# KiCad board soldiercrab_panel.kicad_pcb (continued)
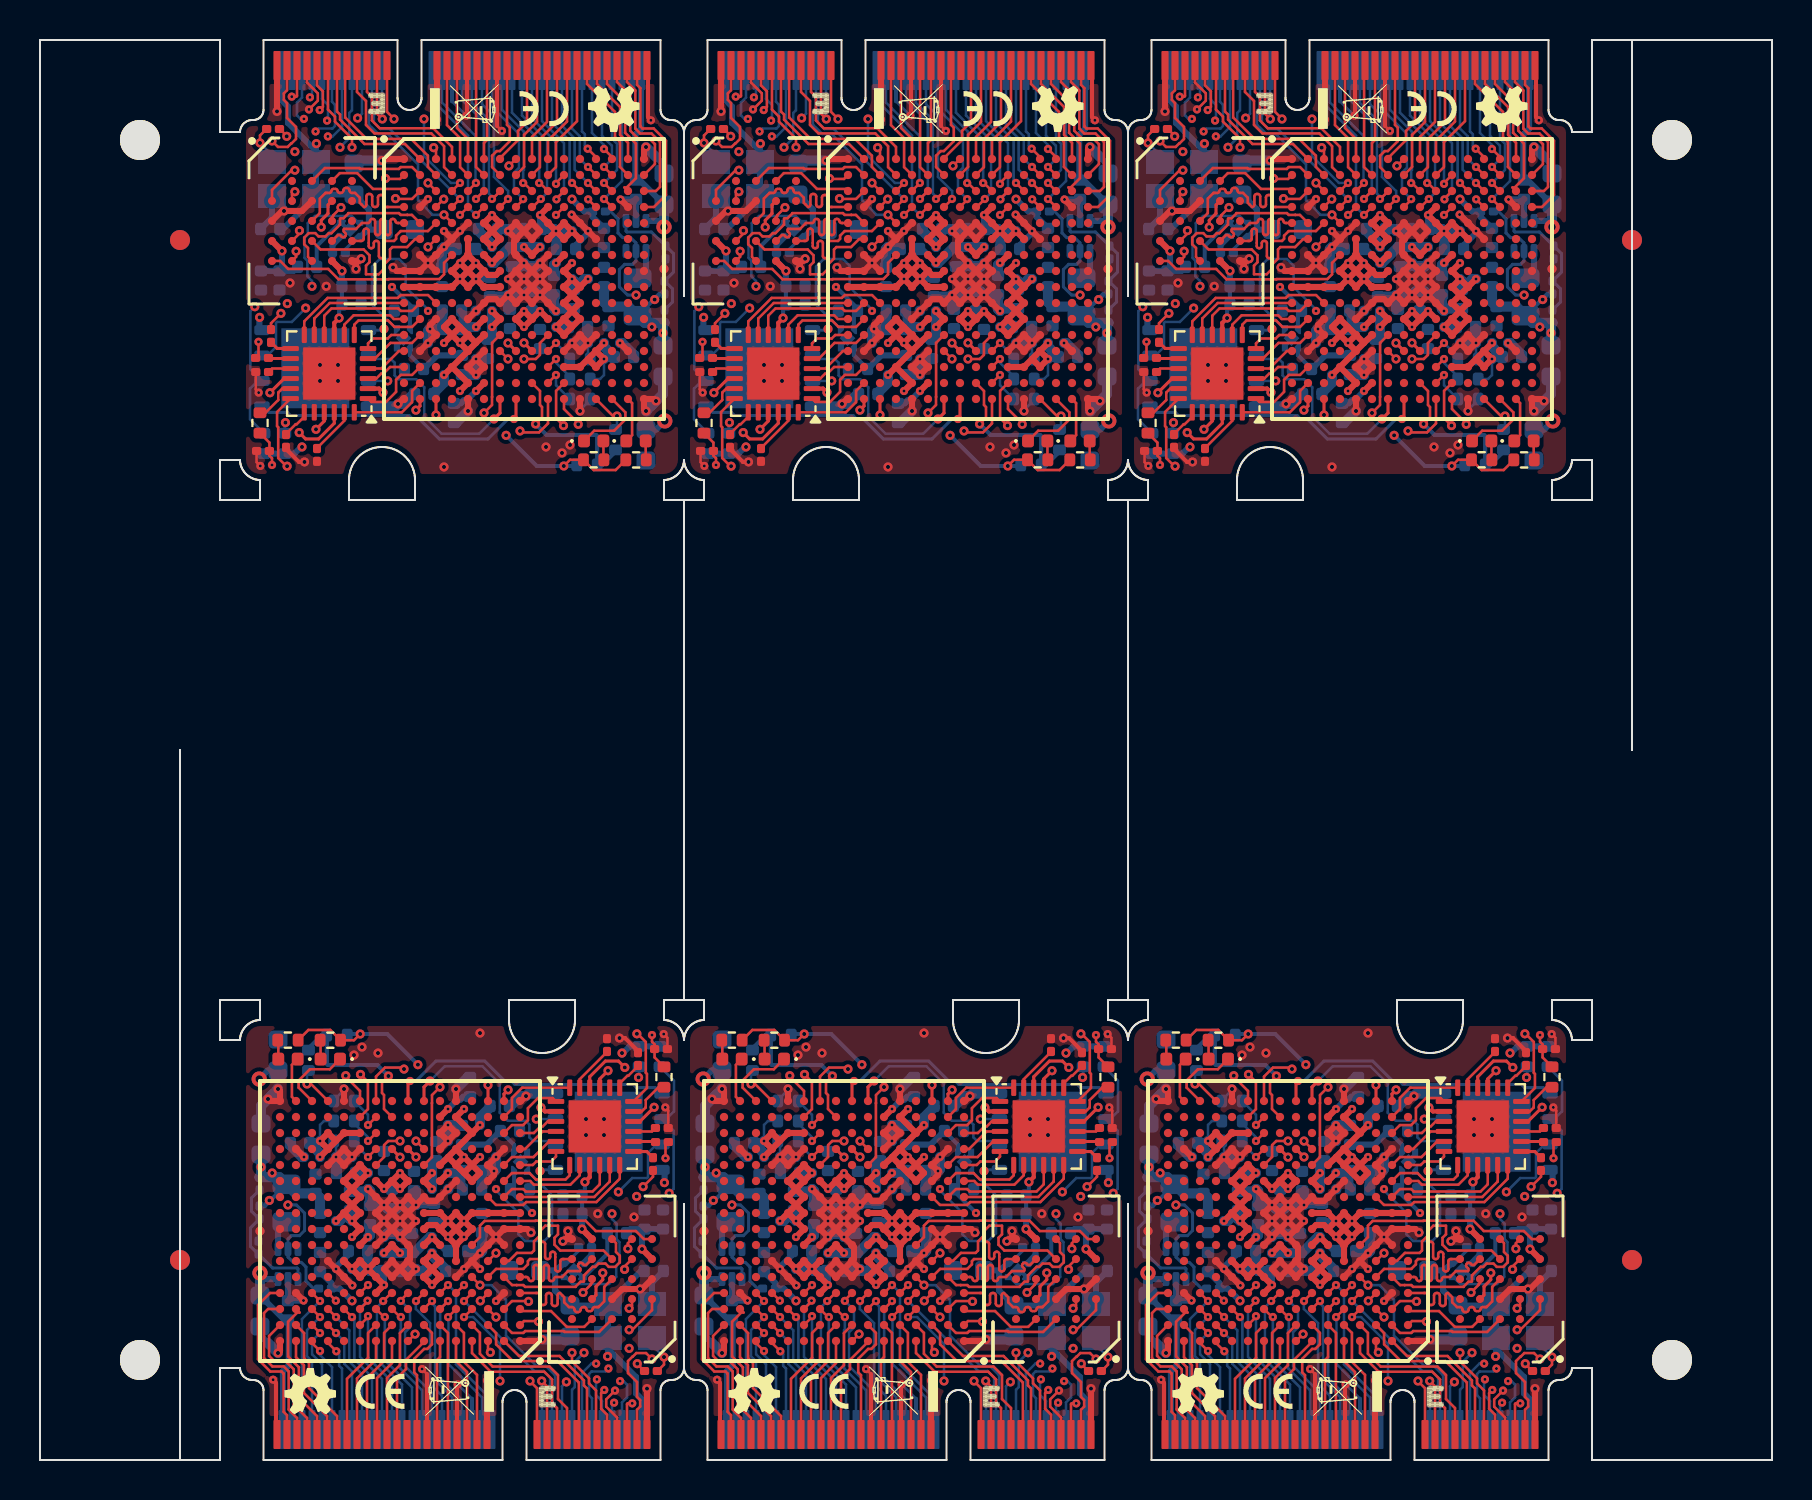
[diagram p0: board, top side]
## Routing (per net, layer and track width the routed paths; a pad name or vN(x,y) marks a point on that pad's centre or on a via; arc(x,y) is an arc through that point) (continued)
  Bottom w0.127: J1#2.10 58.5,68.05 58.8,67.75 58.8,67.02 v1(58.75,66.97)
Board_2-ECP5_T11_TMS: length 26.7
  Top w0.127: IC1#2.T11 70.6,52.55 71.31,51.84 v2(71.31,51.78) ; v2(61.52,67.05) 61.25,67.32 J1#2.21
  In4.Cu w0.127: v2(61.52,67.05) 61.52,67.04 61.93,66.63 61.93,66.63 62.85,65.72 62.85,56.77 63.35,56.27 63.35,54.66 64.15,53.85 66.36,53.85 66.91,53.31 69.84,53.31 71.31,51.84 v2(71.31,51.78)
Board_2-EN: length 45.1
  In2.Cu w0.127: v2(58,58.68) 58.63,58.05 63.2,58.05 v1(63.8,57.45)
  In2.Cu w0.152: v1(63.8,57.45) 63.39,57.04 63.39,54.66 65.01,53.04 67.6,53.04 68.4,53.84 71.97,53.84 74.2,56.08 v2(74.2,58.25)
  Bottom w0.127: v2(58,58.68) 58,58.95 57.77,59.19 57.77,59.97 57.63,60.11 57.63,61.13 57.79,61.3 57.79,61.84 58.15,62.2 59.98,62.2 U4.3 ; U2#5.3 61,57.77 61,59.66 61.39,60.05 62.34,60.05 62.68,59.71 62.68,58.64 63.8,57.52 v1(63.8,57.45)
  Bottom w0.152: v2(74.2,58.25) 73.78,58.25 73.37,58.65 73.37,59.53 73.63,59.78 74.03,59.78 74.2,59.95 U1#4.5 74.2,60.85 73.93,61.12 73.53,61.12 73.3,61.35 73.3,62.05 72.93,62.43 R1#6.1
Board_2-GND: length 114.2
  Top w0.127: v1(55.42,49.7) 55.23,49.89 C37#4.2 ; J1#2.7 57.75,68.87 58.29,68.33 58.29,67.97 v1(57.85,67.53) ; 67.25,66.7 v1(67.5,66.45) ; v1(65.72,67.22) 65.75,67.25 ; v1(55.33,53.37) 55.19,53.52 C36#2.2 ; 74.8,69.67 J1#2.75 ; v1(74.94,66.99) 74.8,67.13
  Top w0.203: 65.75,67.25 J1#2.39 ; v2(57.63,49.9) 57.35,49.9 56.78,50.48 56.78,50.63 ; J1#2.45 67.25,66.7 ; 74.8,67.13 74.8,69.67
  Top w0.305: U10#4.C1 56.5,62.45 v2(56.6,62.45) 57.5,62.45 U10#4.B3 ; IC1#2.F4 v1(64.6,60.65) IC1#2.G3 v1(63.8,59.85) ; IC1#2.F4 v1(64.6,61.45) ; IC1#2.F4 v1(65.4,61.45) IC1#2.E5 ; v2(74.7,65.65) 74.6,65.55 IC1#2.A16 ; IC1#2.G10 v1(69.4,59.85) ; v1(69.4,59.85) IC1#2.H9 ; v1(69.4,59.85) IC1#2.H10 v1(69.4,59.05) ; v1(66.2,55.05) IC1#2.P5 v1(66.2,54.25) IC1#2.P6 v1(66.2,55.05) ; v1(66.2,55.05) IC1#2.N6 ; IC1#2.H9 v1(68.6,59.85) ; IC1#2.H9 v1(69.4,59.05) ; IC1#2.H9 v1(68.6,59.05) ; v1(68.6,59.85) IC1#2.H8 ; v1(68.6,59.85) IC1#2.G8 68.1,60.35 68.1,60.95 IC1#2.F8 ; IC1#2.N15 v1(73.4,55.85) ; v2(75.2,52.95) 75.1,53.05 IC1#2.T16 74.6,52.55 v2(74.7,52.45) ; v1(71,55.85) IC1#2.M12 v1(71.8,55.85) ; v1(71,55.85) IC1#2.N12 v1(71.8,55.85) ; v1(71,55.85) IC1#2.N11 ; v1(68.6,58.25) IC1#2.K9 v1(69.4,58.25) ; v1(68.6,58.25) IC1#2.K8 v1(67.8,58.25) ; v1(68.6,58.25) IC1#2.J9 ; v1(68.6,58.25) IC1#2.J8 ; IC1#2.T12 v2(71.4,52.45) ; v1(69.4,59.05) IC1#2.J9 ; v1(69.4,59.05) IC1#2.J10 v1(69.4,58.25) ; v1(71.8,55.85) IC1#2.M13 ; v1(70.2,57.45) IC1#2.K10 v1(69.4,58.25) ; v1(67.8,58.25) IC1#2.K7 67.2,58.05 66.8,58.05 IC1#2.K6 v1(66.2,57.45) IC1#2.L5 ; v1(67.8,58.25) IC1#2.J8 ; IC1#2.D15 73.43,63.02 v1(73.43,63.03) ; v2(61.5,64.97) 61.58,65.05 IC1#2.A1 ; IC1#2.F8 IC1#2.E9 69.4,61.45 IC1#2.F9 IC1#2.E8 v1(67.8,61.45) IC1#2.F8 ; IC1#2.J9 v1(68.6,59.05) ; IC1#2.J9 v1(69.4,58.25) ; v1(68.6,59.05) IC1#2.H8 ; v1(68.6,59.05) IC1#2.J8 ; v2(60.2,59.55) 60.2,59.75 U10#4.E5 60.35,59.95 v2(60.46,60.06) ; IC1#2.H8 v1(67.8,59.05) IC1#2.J8 ; IC1#2.G2 v1(63.8,59.85) ; v1(63.8,59.85) IC1#2.H3 ; v1(63.8,59.85) IC1#2.H2 IC1#2.H1 62.23,59.45 v2(62.05,59.63) ; IC1#2.D2 v1(63.8,63.05) ; IC1#2.L3 63.9,56.75 v1(63.9,56.55) IC1#2.M3 v1(63.8,55.85) IC1#2.N2 ; IC1#2.T1 62.55,53.05 v2(62.3,52.8) ; IC1#2.T5 v2(65.8,52.45) ; v2(56.25,67.43) J1#2.1 ; J1#2.33 v1(64.25,67.03) ; IC1#2.F13 v1(71.8,61.45) IC1#2.E12 70.98,62.27 v1(70.98,62.27)
  In2.Cu w0.127: v1(55.42,49.7) 55.42,49.87 55.78,50.23 57.29,50.23 v2(57.63,49.9)
  Bottom w0.127: 63.76,56.09 63.8,56.05 ; v1(65.72,67.22) 65,67.93 ; v1(71.8,55.85) 71.8,55.16 R12#6.2 ; U2#5.2 62.57,55.99 U2#5.2 ; R14#2.2 71.91,53.01 71.4,52.49 v2(71.4,52.45) ; v2(75.6,59.55) 75.68,59.63 R3#4.2
  Bottom w0.203: U4.2 59.8,61.53 U4.2 59.4,61.85 58.24,60.69 C65#2.2 ; 65,67.93 J1#2.36
  Bottom w0.305: C10#6.2 56,62.12 Y1#6.2 56.6,62.6 v2(56.6,62.45) ; v1(73.43,63.03) 74.2,63.03 U1#4.2 ; 75.2,65.15 75.6,64.75 C2.2 ; v1(70.98,62.27) 71.8,61.45 v1(71.8,61.45) 71.8,61.35 71.18,60.73 C79#5.2
  Bottom w0.508: 74.97,52.73 75.55,53.3 C3.2 ; 74.97,52.73 v2(75.2,52.95) ; 74.97,52.73 v2(74.7,52.45) 74.72,52.42 ; C24#6.2 70.1,57.55 v1(70.2,57.45) 70.32,57.57 C16#6.2 ; C15#3.2 64.7,60.55 v1(64.6,60.65) 64.5,60.55 C83#2.2 ; C9#3.2 68.42,59.67 v1(68.6,59.85) 68.78,59.67 C13#4.2 69.22,59.67 v1(69.4,59.85) ; C12#3.2 C33#4.2 v1(63.9,56.55) 63.8,56.45 v1(63.8,55.85) ; v1(71,55.85) v1(71.8,55.85) 71.78,55.87 C8#4.2 ; v2(65.8,52.45) 65.22,51.87 C81#2.2 ; 60.7,52.68 62.18,52.68 v2(62.3,52.8) 62.57,52.8 63.12,53.35 ; v1(73.4,55.85) 73.5,55.85 74.08,55.27 C80#4.2 ; 66.18,57.47 v1(66.2,57.45) ; v1(67.8,58.25) 67.72,58.17 C19#6.2 ; v1(67.8,58.25) 67.8,57.53 ; v1(67.8,58.25) v1(68.6,58.25) 68.78,58.43 C17#6.2 69.22,58.43 v1(69.4,58.25) 69.82,58.25 ; C18#5.2 67.7,61.55 v1(67.8,61.45) 67.9,61.55 C14#3.2 ; C4#3.2 60.25,64.97 v2(61.5,64.97) ; C26#2.2 66.78,55.05 v1(66.2,55.05) v1(66.2,54.25) 65.52,54.25 C22#4.2 ; v2(74.7,65.65) 75.2,65.15
  vias: v2(56.9,58.85) v2(58.4,54.75) v2(58.4,53.95) v2(58.71,58.68) v2(59.3,54.75) v2(59.3,53.95) v2(64.6,49.65) v2(69.7,50.65) v2(70.5,50.35) v2(70.9,50.75)
Board_2-Net-(D1-A): length 1
  Top w0.127: R11#4.1 74.69,50.03 74.69,50.95
Board_2-Net-(D1-K): length 2.3
  Top w0.127: D1#5.1 74,51.24 74,52.85 IC1#2.T15
Board_2-Net-(D2-A): length 1
  Top w0.127: R15#4.1 72.57,50.03 D2#6.2
Board_2-Net-(D2-K): length 3.8
  Top w0.127: D2#6.1 72.11,51.46 73.11,51.46 73.67,52.03 73.67,52.38 IC1#2.T14
Board_2-Net-(U1-FB): length 6.7
  Bottom w0.152: R2#5.1 76.03,57.9 76.03,58.56 75.65,58.94 C25#6.1 76.08,59.4 76.08,60.32 75.7,60.7 R3#4.1 74.97,61.4 73.75,61.4 73.7,61.45 U1#4.1
Board_2-Net-(U1-SW): length 1.5
  Bottom w0.305: L1#5.1 74.7,59.52 U1#4.4
Board_2-Net-(U3-DM): length 1.1
  Top w0.152: U3#2.14 56.92,55.07 55.82,55.07
Board_2-Net-(U3-DP): length 1.1
  Top w0.152: R10#2.2 56.26,55.58 56.92,55.58 U3#2.13
Board_2-Net-(U3-RBIAS): length 1.5
  Top w0.127: U3#2.19 57.61,52.17 57.24,51.79 57.19,51.79 56.78,51.38 56.78,51.27
Board_2-Net-(U3-VBUS): length 2.2
  Top w0.127: U3#2.17 56.51,53.57 56.31,53.37 56.31,53 55.67,52.36 R8#2.1
Board_2-Net-(Y1-OUT): length 2.1
  Top w0.127: 55.73,66.56 55.4,66.23 v2(55.4,65.85)
  Bottom w0.127: v2(55.4,65.85) 56,65.25 Y1#6.3
Board_2-USB0_DM: length 16.8
  Top w0.127: v1(55.32,55.91) 55.32,55.25 55.18,55.1 55.18,55.07 ; v1(56.99,68.17) 57.22,68.17 57.25,68.2 J1#2.5
  In2.Cu w0.127: v1(56.99,68.17) 56.99,67.44 56.3,66.75 55.71,66.75 54.98,66.03 54.98,65.68 55.43,65.24 55.43,65.07 55.41,65.06 55.41,58.01 55.9,57.52 55.9,56.49 v1(55.32,55.91)
Board_2-USB0_DP: length 15.7
  Top w0.127: v2(56,65.95) 56.3,65.65 56.79,65.65 56.97,65.84 56.98,65.84 57.2,66.05 57.2,66.65 56.75,67.1 56.75,67.85 56.59,68 56.59,68.33 56.75,68.49 J1#2.3 ; v2(56.45,57.33) 55.95,56.84 R10#2.1 55.85,56.52
  In2.Cu w0.127: v2(56,65.95) 56,65.29 55.67,64.95 55.67,58.11 v2(56.45,57.33)
Board_2-USB0_ID: length 28.8
  Top w0.127: U3#2.18 56.25,52.4 56.25,51.7 56.31,51.64 56.31,50.1 56.72,49.69 v2(56.76,49.69)
  In4.Cu w0.127: v2(56.76,49.69) 56.66,49.69 56.07,50.28 56.07,52.94 56.31,53.19 56.31,55.31 55.8,55.83 55.8,59.52 54.96,60.35 54.96,64.62 55.35,65 58.77,65 v2(59.4,65.63)
  Bottom w0.127: J1#2.16 60,67.49 59.86,67.35 59.86,66.1 v2(59.4,65.63)
Board_2-USB0_VBUS: length 24.5
  Top w0.127: R8#2.2 55.87,50.87 55.87,50.22 56,50.09 v1(56,49.75) ; J1#2.9 58.25,68.73 58.54,68.44 58.54,67.65 v1(58.39,67.5)
  In1.Cu w0.127: v2(56.77,57.82) 56.94,57.65 56.94,56.85 56.31,56.23 56.31,52.46 56,52.15 56,51.59 56.3,51.29 56.3,50.5 56,50.2 v1(56,49.75)
  In2.Cu w0.127: v2(57.14,65.42) 56.49,65.42 55.92,64.85 55.92,58.67 v2(56.77,57.82)
  In4.Cu w0.127: v2(57.14,65.42) 57.14,66.04 58.08,66.98 58.08,67.19 v1(58.39,67.5)
Board_2-VCCRAM: length 38.3
  Top w0.152: v2(58.46,61.64) 58.46,61.98 58.8,62.32 58.8,62.75 U10#4.B4
  Top w0.203: U3#2.9 59.11,56.86 v2(59.35,57.1) ; v2(61.55,53.38) 61.36,53.57 U3#2.2
  Top w0.305: v1(65.4,53.45) IC1#2.R5 IC1#2.P4 ; v1(66.2,59.05) 66.2,59.05 IC1#2.H6 ; v1(66.2,59.05) 66.6,58.65 IC1#2.J6 IC1#2.J7 ; v1(66.2,59.05) 66.2,59.05 ; IC1#2.H7 67.2,59.25 66.8,59.25 IC1#2.H6 ; IC1#2.J1 IC1#2.J2 IC1#2.J3 IC1#2.J4 65.4,59.05 ; IC1#2.M6 66.2,55.85 ; 66.2,55.85 IC1#2.N5 ; 66.2,55.85 IC1#2.M5 ; U10#4.E4 v2(59.5,59.45) ; IC1#2.P4 v1(64.6,54.25) ; IC1#2.P4 IC1#2.N5 ; 65.4,59.05 IC1#2.H4 65.4,59.85 ; 65.4,59.05 IC1#2.J5 66.2,59.05 ; 65.4,59.05 v1(65.4,59.05) 65.4,59.05 IC1#2.H5 ; 66.2,59.85 v1(66.2,59.85) 66.2,59.85 IC1#2.G5 ; 66.2,59.85 IC1#2.H5 ; 66.2,59.85 IC1#2.H6 ; v1(65.4,55.85) IC1#2.M4 ; v1(65.4,55.85) IC1#2.N5 ; v1(65.4,55.85) IC1#2.M5 ; IC1#2.M4 65.4,56.65 ; IC1#2.M4 v1(64.6,55.85) ; IC1#2.M4 64.6,56.65 IC1#2.L4 65.4,56.65 ; IC1#2.H5 65.4,59.85 ; IC1#2.H5 66.2,59.05 ; 65.4,59.85 v1(65.4,59.85) 65.4,59.85 IC1#2.G5 ; IC1#2.G5 IC1#2.F5 ; U10#4.D1 v2(56.5,60.45) ; IC1#2.M5 65.4,56.65
  Bottom w0.203: C32.1 C5#4.1 59.35,57.63 v2(59.35,57.1)
  Bottom w0.305: C19#6.1 66.82,59.05 v1(66.2,59.05) ; C31#6.1 55.45,59.46 55.5,59.51 ; C31#6.1 57.08,59.46 C65#2.1 ; C31#6.1 56.5,59.58 v2(56.5,60.45) ; 59.44,61.18 59.03,60.76 R16.1 59.03,59.93 v2(59.5,59.45) 59.5,59.45 C32.1 59.47,58.73 ; v1(65.4,59.05) 65,58.65 64.9,58.65 64.88,58.67 C83#2.1
  Bottom w0.508: 64.08,53.35 64.6,53.87 v1(64.6,54.25)
Board_3-+1V1: length 19.4
  Top w0.305: IC1#5.L9 v1(18,13.55) IC1#5.L8 v1(18,14.35) IC1#5.L9 ; IC1#5.L9 v1(17.2,13.55) IC1#5.L10 ; v1(17.2,10.35) IC1#5.G9 v1(18,10.35) ; IC1#5.G6 v1(19.6,11.15) IC1#5.G7
  Bottom w0.203: v2(11.61,14.35) 12.17,13.78 L1#4.2 11.24,12.7 C25#3.2 11.19,12.7 v2(11.47,12.98)
  Bottom w0.305: v1(19.6,11.15) 20.3,10.45 C15#5.1 ; v3(10.96,19.05) 11.39,19.47 C1#2.1
  Bottom w0.508: 14,12.33 14,13.1 13.78,13.33 12.78,13.33 L1#4.2 11.97,14.14 R2.2 11.05,14.22 v2(11.05,14.65) 11.05,15.28 ; v1(17.2,10.35) 17.58,10.35 C13#6.1 17.62,10.35 v1(18,10.35) 18.58,10.35 C9#5.1 18.72,10.37 19.5,11.15 v1(19.6,11.15)
Board_3-+2V5: length 16.9
  Top w0.305: v1(19.6,14.35) IC1#5.L7 v1(19.6,13.55) ; IC1#5.G11 v1(16.4,11.15)
  In3.Cu w0.305: v1(19.6,14.35) 19.6,11.84 19.12,11.35 19.12,10.78 18.2,9.87 17,9.87 16.4,10.46 v1(16.4,11.15)
  Bottom w0.203: 23.02,16.45 23.7,15.76 U2#2.1
  Bottom w0.305: 23.02,16.45 22.34,15.77 C22.1 21.03,15.77 20.23,14.97 C26.1
  Bottom w0.508: v1(19.6,13.55) v1(19.6,14.35) 19.6,14.77 C26.1 ; C24#3.1 16.5,11.25 v1(16.4,11.15)
Board_3-+3V3: length 82.7
  Top w0.127: v2(16.01,21.3) 15.7,20.99 R15#6.2 14.52,21.5 13.42,21.5 R11#6.2
  Top w0.152: U3#4.16 30,16.93 v2(30.71,17.64)
  Top w0.305: IC1#5.J12 v1(15.6,11.95) ; IC1#5.J12 IC1#5.K11 IC1#5.L12 15.6,14.35 ; IC1#5.J12 v1(14.8,11.95) ; v1(15.6,11.95) IC1#5.J11 IC1#5.K12 IC1#5.L11 ; v1(15.6,11.95) IC1#5.H11 v1(15.6,11.15) ; IC1#5.F12 v1(15.6,9.55) ; v1(15.6,9.55) IC1#5.F11 v1(16.4,9.55) ; v1(15.6,9.55) IC1#5.E11 v1(16.4,9.55) ; IC1#5.R6 v1(20.4,17.55) ; 14.8,15.95 IC1#5.P12 IC1#5.P11 ; 14.8,15.95 IC1#5.P13 v1(14,15.95) IC1#5.N13 ; 14.8,15.95 IC1#5.N13 ; 15.6,14.35 IC1#5.M11 v1(16.4,14.35) IC1#5.L11 ; 15.6,14.35 IC1#5.L11 ; v1(16.4,9.55) IC1#5.E10 v1(17.2,8.75) IC1#5.D10 ; v1(16.4,9.55) IC1#5.F10 ; 19.3,10.05 19.3,9.85 IC1#5.E6 v1(19.6,8.75) IC1#5.E7 IC1#5.F6 v1(19.6,10.35) 19.3,10.05 ; 19.3,10.05 IC1#5.F7 ; IC1#5.N13 v1(14,15.15) ; IC1#5.L6 v1(20.4,14.35)
  Bottom w0.127: v1(14,15.95) 14,16.75 14.2,16.95 R13#2.2
  Bottom w0.152: R16#2.2 26.94,10.46 U4#4.4
  Bottom w0.203: U2#2.4 23.7,13.72 23.52,13.53 23.52,13.43 v1(24.6,12.35) ; R6.1 15.41,21.3 v2(16.01,21.3) 17.36,21.3 v2(18.89,19.77)
  Bottom w0.305: Y1#4.1 28.33,7.72 26.5,7.72 25.76,8.47 25.76,9.42 ; Y1#4.1 Y1#4.4 ; Y1#4.1 28.4,7.83 ; Y1#4.1 30.05,9.45 C10#4.1 30.1,9.56 ; C23#4.1 25.7,9.48 25.76,9.42 ; v1(19.6,8.75) 20.28,9.43 C18.1 ; v2(15.6,7.96) 14.99,8.57 R1#4.2 14.57,8.85 C35#3.1 ; v3(11,9.35) 11.3,9.05 U1#5.3 ; v2(31.22,13.87) 31.23,13.88 31.23,14.51 ; J1#6.2 30.1,3.03 29.8,3.33 29.8,4.15 28.4,5.55 Y1#4.4 ; v1(17.2,8.75) 17.2,9.37 C14#2.1 ; Y1#4.4 28.4,5.57 ; Y1#4.4 28.4,5.2 v2(28.38,5.18) ; 11,8.22 12.43,6.79 12.43,4.73 12.14,4.44 12.14,1.57 J1#6.74 ; C81.1 21.17,18.17 21.02,18.02 20.87,18.02 v1(20.4,17.55) ; 26.24,9.82 26.16,9.82 25.76,9.42 ; v2(29.1,20.35) 29.15,20.35 29.48,20.68 R110#3.1 R109#2.1 ; 21.2,14.53 C33#2.1 C12#2.1
  Bottom w0.508: v1(19.6,10.35) 19.6,10.22 20.28,9.54 C18.1 ; v1(15.6,11.95) 15.5,12.05 C16#3.1 14.98,11.95 v1(14.8,11.95) ; v1(16.4,9.55) 16.5,9.45 C14#2.1 ; v1(16.4,9.55) v1(15.6,9.55) ; v1(16.4,9.55) 16.38,9.57 C79#2.1 ; C8.1 v1(16.4,14.35) ; v1(14,15.15) 14,15.33 C80.1 13.9,15.85 v1(14,15.95) ; 11,8.45 v3(11,9.35) ; v1(20.4,14.35) 21.02,14.35 C33#2.1
Board_3-/bank0_1/CLOCK_48MHZ: length 13.4
  Top w0.127: v2(18.75,6.29) 18.41,5.95 IC1#5.A8 ; 30.23,4.44 29.86,4.8 v2(29.86,4.82)
  In2.Cu w0.127: v2(18.75,6.29) 20.1,4.95 27.37,4.95 28.11,5.69 28.47,5.69 28.72,5.44 28.72,5.43 28.98,5.16 29.52,5.16 v2(29.86,4.82)
Board_3-/bank2_3/~{FPGA_SELF_PROGRAM}: length 2.1
  Top w0.127: 13.35,18.85 v2(13.35,18.8) 13.55,18.8 IC1#5.T13
  Bottom w0.127: 13.35,19.49 v2(13.35,18.8)
Board_3-/bank6_7/RAM.CK: length 12.5
  Top w0.127: v2(29.46,7.58) 29.6,7.73 U10#3.B2 ; IC1#5.C3 22.4,7.55 v2(22.8,7.15)
  In2.Cu w0.127: v2(22.8,7.15) 22.6,6.95 22.6,6.41 23.46,5.55 arc(23.69,5.64) 23.78,5.87 23.78,6.23 arc(23.87,6.45) 24.1,6.55 24.26,6.55 arc(24.49,6.45) 24.58,6.23 24.58,5.87 arc(24.67,5.64) 24.9,5.55 25.83,5.55 arc(25.9,5.72) 25.83,5.89 25.76,5.96 arc(25.69,6.13) 25.76,6.3 25.84,6.38 arc(26.01,6.45) 26.18,6.38 26.25,6.31 arc(26.42,6.24) 26.59,6.31 26.73,6.45 28.8,6.45 29.46,7.1 v2(29.46,7.58)
Board_3-/bank6_7/RAM.DQ0: length 8
  Top w0.127: U10#3.D3 28.18,10.47 26.02,10.47 25.73,10.76 25.73,11.11 25.9,11.28 25.9,11.71 25.27,11.71 24.97,11.42 24.97,11.2 24.7,10.93 24.7,10.47 24.58,10.35 23.85,10.35 23.44,9.95 IC1#5.F2
Board_3-/bank6_7/RAM.DQ1: length 7.2
  Top w0.127: v2(24.93,6.92) 24.9,6.95 24.2,6.95 IC1#5.B1 ; v2(29.23,9.53) 29.23,9.68 U10#3.D2
  In2.Cu w0.127: v2(24.93,6.92) 26.88,6.92 29.23,9.28 v2(29.23,9.53)
Board_3-/bank6_7/RAM.DQ2: length 6.8
  Top w0.127: v2(24.43,7.93) 24.41,7.95 23.6,7.95 IC1#5.C2 ; U10#3.C4 27.6,8.85 27.53,8.79 27.53,8.76 v2(27.15,8.38)
  In2.Cu w0.127: v2(24.43,7.93) 24.99,8.5 25.64,8.5 arc(25.77,8.44) 25.83,8.31 25.83,7.76 arc(25.88,7.62) 26.02,7.57 26.12,7.57 arc(26.25,7.62) 26.31,7.76 26.31,8.31 arc(26.36,8.44) 26.5,8.5 27.03,8.5 v2(27.15,8.38)
Board_3-/bank6_7/RAM.DQ3: length 7.5
  Top w0.127: U10#3.D4 27.32,9.77 arc(27.25,9.74) 27.18,9.77 27.11,9.84 arc(27.04,9.87) 26.97,9.84 26.93,9.8 arc(26.9,9.73) 26.93,9.66 27,9.59 arc(27.03,9.52) 27,9.45 26.4,9.45 26.1,9.15 25.8,9.15 arc(25.73,9.12) 25.7,9.05 arc(25.67,8.98) 25.6,8.95 25.55,8.95 arc(25.48,8.98) 25.45,9.05 25.45,9.65 arc(25.42,9.72) 25.34,9.75 25.29,9.75 arc(25.22,9.72) 25.19,9.65 25.19,9.05 arc(25.16,8.98) 25.09,8.95 25.04,8.95 arc(24.97,8.98) 24.94,9.05 24.94,9.65 arc(24.91,9.72) 24.84,9.75 24.79,9.75 arc(24.71,9.72) 24.68,9.65 24.68,9.05 arc(24.65,8.98) 24.58,8.95 24.53,8.95 arc(24.46,8.98) 24.43,9.05 arc(24.4,9.12) 24.33,9.15 IC1#5.E1
Board_3-/bank6_7/RAM.DQ4: length 7.9
  Top w0.127: U10#3.D5 26.12,10.05 arc(26.05,10.02) 26.02,9.95 26.02,9.54 arc(25.99,9.47) 25.92,9.44 25.87,9.44 arc(25.79,9.47) 25.76,9.54 25.76,10.31 arc(25.73,10.38) 25.66,10.41 25.61,10.41 arc(25.54,10.38) 25.51,10.31 25.51,10.15 arc(25.48,10.08) 25.41,10.05 25.36,10.05 arc(25.29,10.08) 25.26,10.15 25.26,10.81 arc(25.23,10.88) 25.15,10.91 25.1,10.91 arc(25.03,10.88) 25,10.81 25,10.15 arc(24.97,10.08) 24.9,10.05 24.5,10.05 24.4,9.94 24.4,9.79 24.16,9.55 22.8,9.55 IC1#5.E3
Board_3-/bank6_7/RAM.DQ5: length 8.1
  Top w0.127: U10#3.E3 28.8,10.85 28.8,10.4 28.99,10.21 28.99,9.89 28.76,9.66 28.44,9.66 28.27,9.82 27.93,9.82 27.76,9.66 27.63,9.66 27.2,9.23 27.2,8.95 27.17,8.92 27.03,8.92 26.78,8.67 26.78,8.66 24.25,8.66 24.16,8.75 23.84,8.75 23.83,8.75 23.6,8.75 IC1#5.E2
Board_3-/bank6_7/RAM.DQ6: length 7.8
  Top w0.127: v2(29.39,10.56) 29.39,10.84 U10#3.E2 ; v2(22.8,10.35) 22.4,9.95 IC1#5.F3
  In2.Cu w0.127: v2(29.39,10.56) 29.18,10.35 v2(22.8,10.35)
Board_3-/bank6_7/RAM.DQ7: length 10.2
  Top w0.127: IC1#5.G4 22,11.15 22,11.71 22.24,11.95 24.76,11.95 24.78,11.97 27.27,11.97 27.79,11.45 29.79,11.45 30.19,11.05 U10#3.E1
Board_3-/bank6_7/RAM.RWDS: length 8.7
  Top w0.127: U10#3.C3 28.21,8.66 28.21,7.93 27.93,7.65 27.73,7.65 arc(27.66,7.62) 27.63,7.55 arc(27.6,7.48) 27.53,7.45 27.42,7.45 arc(27.35,7.48) 27.32,7.55 arc(27.29,7.62) 27.22,7.65 27.16,7.65 arc(27.07,7.61) 27.03,7.52 27.03,7.52 arc(27,7.43) 26.91,7.4 26.85,7.4 arc(26.76,7.43) 26.72,7.52 26.72,7.52 arc(26.69,7.61) 26.6,7.65 26.45,7.65 26.21,7.89 26.21,8.14 26,8.35 arc(25.92,8.32) 25.88,8.23 25.88,7.82 arc(25.85,7.73) 25.77,7.7 25.71,7.7 arc(25.63,7.73) 25.59,7.82 25.59,8.23 arc(25.56,8.32) 25.48,8.35 25.42,8.35 arc(25.34,8.32) 25.3,8.23 25.3,7.87 arc(25.27,7.78) 25.19,7.75 25.13,7.75 arc(25.05,7.78) 25.01,7.87 25.01,8.23 arc(24.98,8.32) 24.9,8.35 IC1#5.D1
Board_3-/bank6_7/RAM.~{CK}: length 12.5
  Top w0.127: IC1#5.D3 22.4,8.34 v2(22.01,7.96) ; v2(29.46,6.51) 29.62,6.51 30.6,7.49 U10#3.B1
  In2.Cu w0.127: v2(29.46,6.51) 29.14,6.19 26.85,6.19 26.44,5.79 26.43,5.79 25.93,5.29 23.35,5.29 22.3,6.35 22.3,7.67 v2(22.01,7.96)
Board_3-/bank6_7/RAM.~{CS}: length 5.9
  Top w0.127: U10#3.A3 27.96,6.4 26.24,6.4 26.19,6.45 24.26,6.45 24.16,6.35 23.6,6.35 IC1#5.B2
Board_3-/bank6_7/RAM.~{RESET}: length 4.1
  Top w0.127: U10#3.A4 27.21,6.66 26.34,6.66 25.55,7.45 24.1,7.45 IC1#5.C1
Board_3-/bank6_7/USB0.DATA0: length 2.2
  Top w0.127: IC1#5.N1 24.25,15.55 25.13,16.43 U3#4.4
Board_3-/bank6_7/USB0.DATA1: length 3.1
  Top w0.127: IC1#5.M2 23.6,15.15 24.68,15.15 25.46,15.93 U3#4.5
Board_3-/bank6_7/USB0.DATA2: length 2.2
  Top w0.127: IC1#5.M1 24.64,14.75 24.81,14.92 25.55,14.92 25.8,15.17 U3#4.6
Board_3-/bank6_7/USB0.DATA3: length 4.2
  Top w0.127: U3#4.7 26.49,14.23 26.28,14.02 24.8,14.02 24.47,14.35 23.6,14.35 IC1#5.L2
Board_3-/bank6_7/USB0.DATA4: length 3.8
  Top w0.127: IC1#5.L1 24.51,13.95 24.69,13.77 26.52,13.77 26.99,14.23 U3#4.8
Board_3-/bank6_7/USB0.DATA5: length 6.1
  Top w0.127: U3#4.10 27.99,13.78 27.63,13.42 24.29,13.42 24.16,13.55 23.6,13.55 IC1#5.K2
Board_3-/bank6_7/USB0.DATA6: length 5.6
  Top w0.127: IC1#5.K1 27.71,13.15 28.49,13.92 U3#4.11
Board_3-/bank6_7/USB0.DATA7: length 8
  Top w0.127: IC1#5.K3 22.8,12.75 24.16,12.75 24.31,12.9 27.82,12.9 28.99,14.07 U3#4.12
Board_3-/bank6_7/USB0.DIR: length 3.7
  Top w0.127: U3#4.1 25.63,18.1 24.9,18.1 24.4,17.59 24.4,16.99 24.16,16.75 23.6,16.75 IC1#5.P2
Board_3-/bank6_7/USB0.NXT: length 2
  Top w0.127: U3#4.3 25.39,16.93 25.14,16.68 25.03,16.68 24.69,16.35 IC1#5.P1
Board_3-/bank6_7/USB0.REFCLK: length 8.1
  Top w0.152: v2(28.4,19.47) 27.99,19.05 U3#4.21 ; v2(22.4,18.75) IC1#5.T3
  In2.Cu w0.152: v2(22.4,18.75) 22.7,19.05 27.98,19.05 v2(28.4,19.47)
Board_3-/bank6_7/USB0.STP: length 4.2
  Top w0.127: U3#4.24 24.11,18.62 23.6,18.1 23.6,17.55 IC1#5.R2
Board_3-/bank6_7/USB0.~{RESET}: length 9.7
  Top w0.152: v2(29.24,19.63) 28.92,19.95 28.27,19.95 27.49,19.16 U3#4.22 ; IC1#5.T2 23.2,18.3 v2(23.4,18.51)
  In2.Cu w0.152: v2(23.4,18.51) 23.55,18.65 28.26,18.65 v2(29.24,19.63)
Board_3-/bank8_configuration/D0: length 14.9
  Top w0.152: IC1#5.T8 18.4,18.85 v1(18.5,18.95)
  Bottom w0.152: v1(18.5,18.95) 18.8,18.95 19.8,19.95 22.23,19.95 23.25,18.94 23.58,18.94 23.75,18.78 29.67,18.78 29.83,18.62 30.77,18.62 31.07,18.32 31.23,18.32
Board_3-/bank8_configuration/D1: length 10.7
  Top w0.152: v2(19.5,18.95) 19.2,18.65 IC1#5.T7
  Bottom w0.127: v2(19.5,18.95) 20.23,19.68 22.12,19.68 22.99,18.82 22.99,17.36 23.39,16.96 24.28,16.96 24.47,16.77 24.47,16.13 24.66,15.95 25.73,15.95 25.9,15.78
Board_3-/bank8_configuration/D2: length 12.6
  Top w0.127: IC1#5.M7 19.6,15.15 19.6,17.84 19.6,17.85 19.6,18.25 v2(20,18.65)
  In1.Cu w0.127: v2(20,18.65) 20.52,19.17 24.22,19.17 25.02,18.37 25.02,18.24 24.48,17.7 24.48,17.38 v2(24.82,17.04)
  Bottom w0.127: v2(24.82,17.04) 24.82,17.05 25.9,17.05
Board_3-/bank8_configuration/D3: length 26.2
  Top w0.127: v2(18.8,15.95) 19.2,15.55 IC1#5.N7
  In1.Cu w0.127: v2(28.92,13.4) 28.92,13.77 30.03,14.88 30.03,18.64 30.35,18.96 30.35,19.3 30.09,19.56 29.77,19.56 29.25,19.05 28.18,19.05 27.78,19.45 19.4,19.45 18.9,18.94 18.9,16.04 v2(18.8,15.95)
  Bottom w0.127: v2(28.92,13.4) 29.61,14.1 30.35,14.1 30.4,14.15 30.4,15.35 30.83,15.78 31.23,15.78
Board_3-/bank8_configuration/FPGA_CFG0: length 1.7
  Top w0.127: IC1#5.N10 v1(16.4,15.15)
  Bottom w0.127: R12#2.1 15.71,15.84 v1(16.4,15.15)
Board_3-/bank8_configuration/FPGA_CFG1: length 1.9
  Top w0.127: IC1#5.P10 v1(16.4,15.95)
  Bottom w0.127: R13#2.1 15.71,16.83 16.4,16.14 v1(16.4,15.95)
Board_3-/bank8_configuration/FPGA_CFG2: length 2.1
  Top w0.127: IC1#5.R10 v1(16.4,16.75)
  Bottom w0.127: R14#3.1 16.4,17.26 v1(16.4,16.75)
Board_3-/bank8_configuration/FPGA_CONFIG.~{PROGRAM}: length 8.5
  Top w0.127: v2(17.42,19.2) 17.1,18.88 17.1,18.35 17.2,18.25 17.2,17.55 IC1#5.R9
  Bottom w0.203: v2(17.42,19.2) 16.87,19.75 14.4,19.75 14.34,19.81 R6.2 14.09,21.25 13.35,20.51
Board_3-/bank8_configuration/FPGA_FLASH_CLK: length 22.8
  Top w0.152: v2(18,15.14) 17.6,15.54 IC1#5.N9
  In1.Cu w0.152: v2(31.46,13.34) 30.87,12.75 24.78,12.75 24.77,12.76 24.43,12.76 24.42,12.75 22.63,12.75 20.62,14.76 19.43,14.76 19.12,14.45 18.69,14.45 v2(18,15.14)
  Bottom w0.127: R109#2.2 31.7,18.96 31.7,17.43 31.32,17.05 31.15,17.05 ; v2(31.46,13.34) 31.68,13.55 31.68,16.47 U7#4.6
Board_3-/bank8_configuration/~{CS_DI}: length 16.5
  Top w0.152: v2(18.8,15.15) IC1#5.N8
  In1.Cu w0.152: v2(29.93,19.13) 29.58,18.78 28.07,18.78 25,15.72 v2(25,14.45) 23.69,14.45 23.26,14.02 21.75,14.02 20.6,15.17 18.82,15.17 v2(18.8,15.15)
  Bottom w0.152: 25.9,14.51 25.06,14.51 v2(25,14.45) ; v2(29.93,19.13) 29.96,19.16 R110#3.2
Board_3-/usb/ULPI_1V8: length 2.4
  Top w0.127: U3#4.23 26.99,19.04 28.35,20.4 C34#5.1
Board_3-/usb/ULPI_3V3: length 1.2
  Top w0.127: U3#4.15 30.6,16.43 C36.1
Board_3-ECP5_A2: length 7.6
  Top w0.127: IC1#5.A2 23.95,5.2 25.97,5.2 27.2,3.98 27.2,3.73 27.35,3.57 J1#6.13
Board_3-ECP5_A3: length 9.3
  Top w0.127: v2(22.52,5.38) 22.4,5.5 IC1#5.A3 ; v2(26.6,5.37) 26.6,4.93 27.45,4.08 27.45,3.83 27.8,3.48 27.8,1.32 J1#6.11
  In1.Cu w0.127: v2(26.6,5.37) 26.58,5.38 v2(22.52,5.38)
Board_3-ECP5_A4: length 8
  Top w0.127: IC1#5.A4 21.6,5.35 22.53,4.41 25.21,4.41 25.6,4.02 25.6,2.84 25.85,2.6 J1#6.19
Board_3-ECP5_A5: length 4.9
  Top w0.127: IC1#5.A5 20.8,4.95 21.35,4.4 J1#6.37
Board_3-ECP5_A6: length 4.7
  Top w0.127: IC1#5.A6 20,5.15 19.85,5 J1#6.43
Board_3-ECP5_A7: length 5.3
  Top w0.127: J1#6.51 17.85,4.1 18.3,4.55 18.3,5.01 19.1,5.81 19.2,5.81 IC1#5.A7
Board_3-ECP5_A9: length 5
  Top w0.127: IC1#5.A9 17.6,4.85 16.85,4.1 J1#6.55
Board_3-ECP5_A10: length 5.1
  Top w0.127: IC1#5.A10 16.8,5.03 15.85,4.08 J1#6.59
Board_3-ECP5_A13: length 4.7
  Top w0.127: v1(14.82,5.44) 14.4,5.85 IC1#5.A13
  Bottom w0.127: J1#6.62 15.1,4.57 14.96,4.71 14.96,5.29 v1(14.82,5.44)
Board_3-ECP5_A14: length 4.8
  Top w0.127: IC1#5.A14 13.6,5.85 v1(14,5.45)
  Bottom w0.127: v1(14,5.45) 14,5.25 14.35,4.9 14.35,4.89 14.6,4.65 J1#6.64
Board_3-ECP5_A15: length 5.3
  Top w0.127: IC1#5.A15 12.8,5.14 13.2,4.74 13.2,3.35 14.35,2.2 J1#6.65
Board_3-ECP5_B3: length 8.7
  Top w0.127: J1#6.15 26.94,1.37 26.94,3.87 25.87,4.95 23.64,4.95 22.8,5.79 22.8,6.35 IC1#5.B3
Board_3-ECP5_B4: length 9.1
  Top w0.127: J1#6.17 26.35,2.6 25.9,3.05 25.9,4.25 25.48,4.67 22.64,4.67 22,5.31 22,6.35 IC1#5.B4
Board_3-ECP5_B5: length 5.9
  Top w0.127: IC1#5.B5 21.2,6.35 21.2,4.91 21.85,4.26 J1#6.35
Board_3-ECP5_B6: length 5.7
  Top w0.127: J1#6.41 20.4,1.32 20.4,6.35 IC1#5.B6
Board_3-ECP5_B7: length 6.2
  Top w0.127: J1#6.47 18.85,4.24 18.71,4.38 18.71,5.06 19.21,5.55 19.36,5.55 19.6,5.79 19.6,6.35 IC1#5.B7
Board_3-ECP5_B8: length 5.9
  Top w0.127: IC1#5.B8 18,6.35 18,4.74 17.35,4.1 J1#6.53
Board_3-ECP5_B9: length 6
  Top w0.127: J1#6.57 16.35,4.1 17.2,4.95 17.2,6.35 IC1#5.B9
Board_3-ECP5_B10: length 6.1
  Top w0.127: IC1#5.B10 16.4,6.35 16.4,5.11 15.35,4.06 J1#6.61
Board_3-ECP5_B11: length 6.8
  Top w0.127: v1(16.4,7.19) 16.4,7.15 IC1#5.B11
  Bottom w0.127: v1(16.4,7.19) 16.4,5.11 17.6,3.91 17.6,1.53 J1#6.52
Board_3-ECP5_B13: length 5.8
  Top w0.127: v1(14.8,6.35) 14.4,6.75 IC1#5.B13 14.44,6.75
  Bottom w0.127: J1#6.60 15.6,4.43 15.21,4.82 15.21,5.94 v1(14.8,6.35)
Board_3-ECP5_B14: length 5.8
  Top w0.127: IC1#5.B14 14,6.35 v1(14,6.35)
  Bottom w0.127: J1#6.66 14.1,4.79 13.6,5.29 13.6,5.95 v1(14,6.35)
Board_3-ECP5_B15: length 6.3
  Top w0.127: J1#6.63 14.85,2.2 13.45,3.6 13.45,4.85 13.2,5.09 13.2,6.35 IC1#5.B15
Board_3-ECP5_B16: length 6.8
  Top w0.127: IC1#5.B16 11.45,6.2 11.45,5.2 11.73,4.93 12.29,4.93 12.69,4.53 12.69,2.76 13.35,2.1 J1#6.69
Board_3-ECP5_C4: length 14.2
  Top w0.127: v1(21.2,7.15) 21.6,7.55 IC1#5.C4
  In1.Cu w0.127: v2(23,3.95) 23.48,4.43 28.01,4.43 28.24,4.19 28.24,4.01 28.3,3.95 v1(29,3.95)
  Bottom w0.127: v2(23,3.95) 23,5.8 21.65,7.15 v1(21.2,7.15) 21.29,7.24 ; v1(29,3.95) 29.18,3.95 29.35,3.77 29.35,3.13 29.1,2.88 J1#6.6
